# Altium PCB drac_v3.PcbDoc (part 3 of 5) (continued)
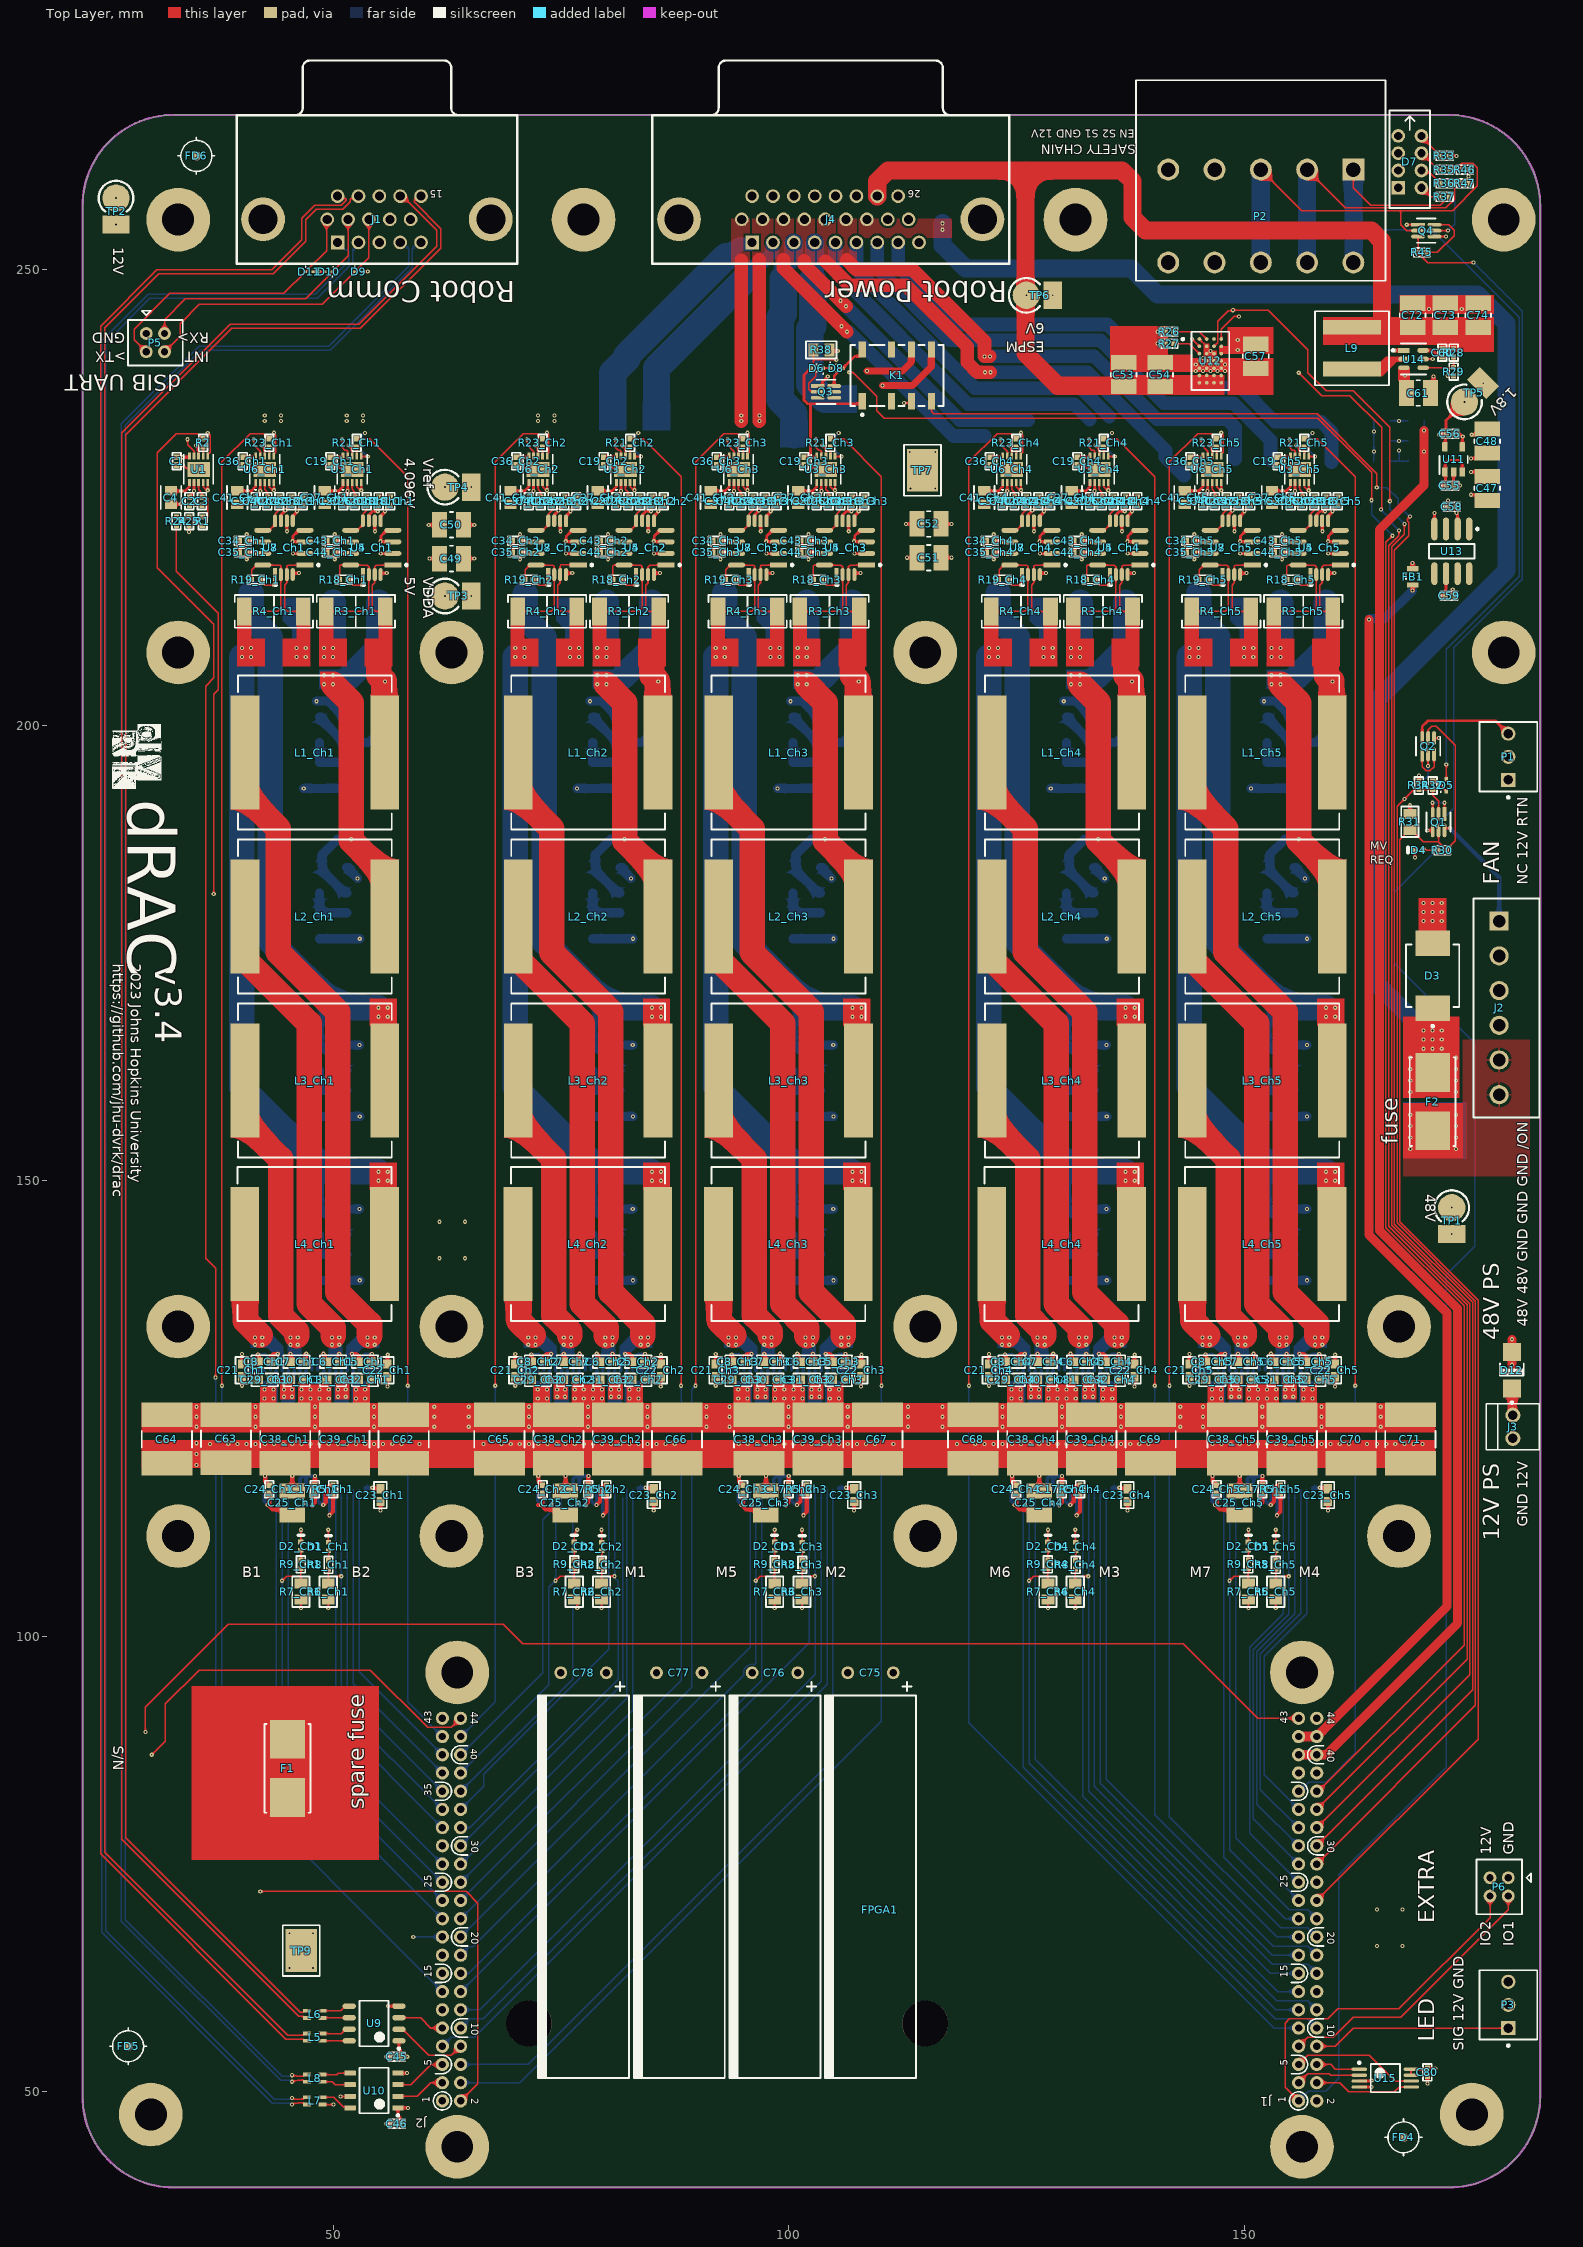
[diagram p0: Top Layer view]
## Nets (pads, with @x,y where several pads share a name; then routed paths per layer and width w, separated by ;. In a path a pad name is that pad's centre, name@x,y a point inside that pad or via, vN(x,y) a via of type N, cw(c..) or ccw(c..) an arc to the next point about the centre after c; other vN are vias at no path point) (continued)
  Top Layer w0.4: v1(166.525,241.15) U14.1@167.55,241.15 ; C61.2@170.464,236.474 170.8,236.81 v1(170.8,238.3)
  Top Layer w0.45: v1(42.525,117.598) 42.554,117.569 42.554,117.044 43,116.598 C24_Ch1.2@43,116.577 ; C25_Ch1.2@45.5,115.973 45.525,115.998 v1(45.525,117.598) ; C17_Ch1.2@48,116.577 48.012,116.589 48.012,117.586 v1(48.025,117.598) ; v1@48.925,114.401 48.926,114.401 48.926,114.442 49.2,114.715 49.2,116.116 49.625,116.541 49.941,116.541 R5_Ch1.2@50,116.6 ; v1(72.525,117.598) 72.554,117.569 72.554,117.044 73,116.598 C24_Ch2.2@73,116.577 ; C25_Ch2.2@75.5,115.973 75.525,115.998 v1(75.525,117.598) ; C17_Ch2.2@78,116.577 78.012,116.589 78.012,117.586 v1(78.025,117.598) ; v1@78.925,114.401 78.926,114.401 78.926,114.442 79.3,114.815 79.3,116.216 79.625,116.541 79.941,116.541 R5_Ch2.2@80,116.6 ; v1(94.525,117.598) 94.554,117.569 94.554,117.044 95,116.598 C24_Ch3.2@95,116.577 ; C25_Ch3.2@97.5,115.973 97.525,115.998 v1(97.525,117.598) ; C17_Ch3.2@100,116.577 100.012,116.589 100.012,117.586 v1(100.025,117.598) ; v1@100.925,114.401 100.926,114.401 100.926,114.442 101.3,114.815 101.3,116.216 101.625,116.541 101.941,116.541 R5_Ch3.2@102,116.6 ; v1(124.525,117.598) 124.554,117.569 124.554,117.044 125,116.598 C24_Ch4.2@125,116.577 ; C25_Ch4.2@127.5,115.973 127.525,115.998 v1(127.525,117.598) ; C17_Ch4.2@130,116.577 130.012,116.589 130.012,117.586 v1(130.025,117.598) ; v1@130.925,114.401 130.926,114.401 130.926,114.442 131.3,114.815 131.3,116.216 131.625,116.541 131.941,116.541 R5_Ch4.2@132,116.6 ; v1(146.525,117.598) 146.554,117.569 146.554,117.044 147,116.598 C24_Ch5.2@147,116.577 ; C25_Ch5.2@149.5,115.973 149.525,115.998 v1(149.525,117.598) ; C17_Ch5.2@152,116.577 152.012,116.589 152.012,117.586 v1(152.025,117.598) ; v1@152.925,114.401 152.926,114.401 152.926,114.442 153.3,114.815 153.3,116.216 153.625,116.541 153.941,116.541 R5_Ch5.2@154,116.6
  Top Layer w1: v1(179.4,129.8) D12.2@179.4,131.2 v1(179.4,132.6)
  Mid Layer 2 w0.3: v1(55.964,127.436) v1@56,127.4 ; v1(172.371,224.671) v1@172.4,224.7
  Mid Layer 2 w0.4: v1@166.472,241.097 v1(166.525,241.15)
  Bottom Layer w0.152: R43.1@164.2,229 R43.1@164.248,229 v1(164.248,230.052) R44.1@164.248,231.21 v1(164.248,232.248) R42.1@164.248,233.42
  Bottom Layer w0.3: v1@56,59.45 v1(56.045,59.405) ; v1(58.127,52.048) v1@58.15,52.025 ; v1(168.2,191.225) v1@168.225,191.25 ; v1@169.175,194.525 v1(169.2,194.5) ; v1@170.1,188.45 v1(170.116,188.466) ; v1(170.133,50.917) v1@170.25,50.8
  Bottom Layer w0.394: 45.075,127.762 U2_Ch1.23@45.075,129.148 ; 45.725,127.762 U2_Ch1.24@45.725,129.148 ; U2_Ch1.12@46.375,116.148 46.375,117.294 46.679,117.598 47.025,117.598 ; U2_Ch1.11@47.025,116.148 47.025,117.598 ; v1(48.025,117.598) 47.025,117.598 ; U2_Ch1.9@48.325,116.148 48.325,114.877 48.629,114.573 48.733,114.573 48.908,114.398 v1(48.925,114.398) 48.925,114.415 48.975,114.465 U2_Ch1.8@48.975,116.148 ; 50.275,127.762 U2_Ch1.31@50.275,129.148 ; 50.925,127.762 U2_Ch1.32@50.925,129.148 ; 75.075,127.762 U2_Ch2.23@75.075,129.148 ; 75.725,127.762 U2_Ch2.24@75.725,129.148 ; U2_Ch2.12@76.375,116.148 76.375,117.294 76.679,117.598 77.025,117.598 ; U2_Ch2.11@77.025,116.148 77.025,117.598 ; v1(78.025,117.598) 77.025,117.598 ; U2_Ch2.9@78.325,116.148 78.325,114.877 78.629,114.573 78.733,114.573 78.908,114.398 v1(78.925,114.398) 78.925,114.415 78.975,114.465 U2_Ch2.8@78.975,116.148 ; 80.275,127.762 U2_Ch2.31@80.275,129.148 ; 80.925,127.762 U2_Ch2.32@80.925,129.148 ; 97.075,127.762 U2_Ch3.23@97.075,129.148 ; 97.725,127.762 U2_Ch3.24@97.725,129.148 ; U2_Ch3.12@98.375,116.148 98.375,117.294 98.679,117.598 99.025,117.598 ; U2_Ch3.11@99.025,116.148 99.025,117.598 ; v1(100.025,117.598) 99.025,117.598 ; U2_Ch3.9@100.325,116.148 100.325,114.877 100.629,114.573 100.733,114.573 100.908,114.398 v1(100.925,114.398) 100.925,114.415 100.975,114.465 U2_Ch3.8@100.975,116.148 ; 102.275,127.762 U2_Ch3.31@102.275,129.148 ; 102.925,127.762 U2_Ch3.32@102.925,129.148 ; 127.075,127.762 U2_Ch4.23@127.075,129.148 ; 127.725,127.762 U2_Ch4.24@127.725,129.148 ; U2_Ch4.12@128.375,116.148 128.375,117.294 128.679,117.598 129.025,117.598 ; U2_Ch4.11@129.025,116.148 129.025,117.598 ; v1(130.025,117.598) 129.025,117.598 ; U2_Ch4.9@130.325,116.148 130.325,114.877 130.629,114.573 130.733,114.573 130.908,114.398 v1(130.925,114.398) 130.925,114.415 130.975,114.465 U2_Ch4.8@130.975,116.148 ; 132.275,127.762 U2_Ch4.31@132.275,129.148 ; 132.925,127.762 U2_Ch4.32@132.925,129.148 ; 149.075,127.762 U2_Ch5.23@149.075,129.148 ; 149.725,127.762 U2_Ch5.24@149.725,129.148 ; U2_Ch5.12@150.375,116.148 150.375,117.294 150.679,117.598 151.025,117.598 ; U2_Ch5.11@151.025,116.148 151.025,117.598 ; v1(152.025,117.598) 151.025,117.598 ; U2_Ch5.9@152.325,116.148 152.325,114.877 152.629,114.573 152.733,114.573 152.908,114.398 v1(152.925,114.398) 152.925,114.415 152.975,114.465 U2_Ch5.8@152.975,116.148 ; 154.275,127.762 U2_Ch5.31@154.275,129.148 ; 154.925,127.762 U2_Ch5.32@154.925,129.148
  Bottom Layer w1: v1(46.775,193.075) R10_Ch1.1@51.5,193.075 ; v1(48.2,202.646) 49.504,202.646 51.1,201.05 51.35,201.05 C9_Ch1.1@51.5,200.9 ; R17_Ch1.1@48.5,139.075 v1(52.925,139.075) ; R15_Ch1.1@48.5,157.075 v1(52.925,157.075) ; R13_Ch1.1@48.5,176.575 v1(52.925,176.575) ; C12_Ch1.1@51.5,146.9 v1(52.9,146.9) ; C11_Ch1.1@51.5,164.9 v1(52.9,164.9) ; C10_Ch1.1@51.75,184.4 C10_Ch1.1@51.5,184.4 v1(52.7,183.2) ; v1(76.775,193.075) R10_Ch2.1@81.5,193.075 ; v1(78.2,202.646) 79.504,202.646 81.1,201.05 81.35,201.05 C9_Ch2.1@81.5,200.9 C9_Ch2.1@81.25,200.9 ; R17_Ch2.1@78.5,139.075 v1(82.925,139.075) ; R15_Ch2.1@78.5,157.075 v1(82.925,157.075) ; R13_Ch2.1@78.5,176.575 v1(82.925,176.575) ; C12_Ch2.1@81.5,146.9 v1(82.9,146.9) ; C11_Ch2.1@81.5,164.9 v1(82.9,164.9) ; C10_Ch2.1@81.75,184.4 C10_Ch2.1@81.5,184.4 v1(82.7,183.2) ; v1(98.775,193.075) R10_Ch3.1@103.5,193.075 ; v1(100.2,202.646) 101.504,202.646 103.1,201.05 103.35,201.05 C9_Ch3.1@103.5,200.9 C9_Ch3.1@103.25,200.9 ; R17_Ch3.1@100.5,139.075 v1(104.925,139.075) ; R15_Ch3.1@100.5,157.075 v1(104.925,157.075) ; R13_Ch3.1@100.5,176.575 v1(104.925,176.575) ; C12_Ch3.1@103.5,146.9 v1(104.9,146.9) ; C11_Ch3.1@103.5,164.9 v1(104.9,164.9) ; C10_Ch3.1@103.75,184.4 C10_Ch3.1@103.5,184.4 v1(104.7,183.2) ; v1(128.775,193.075) R10_Ch4.1@133.5,193.075 ; v1(130.2,202.646) 131.504,202.646 133.1,201.05 133.35,201.05 C9_Ch4.1@133.5,200.9 C9_Ch4.1@133.25,200.9 ; R17_Ch4.1@130.5,139.075 v1(134.925,139.075) ; R15_Ch4.1@130.5,157.075 v1(134.925,157.075) ; R13_Ch4.1@130.5,176.575 v1(134.925,176.575) ; C12_Ch4.1@133.5,146.9 v1(134.9,146.9) ; C11_Ch4.1@133.5,164.9 v1(134.9,164.9) ; C10_Ch4.1@133.75,184.4 C10_Ch4.1@133.5,184.4 v1(134.7,183.2) ; v1(150.775,193.075) R10_Ch5.1@155.5,193.075 ; v1(152.2,202.646) 153.504,202.646 155.1,201.05 155.35,201.05 C9_Ch5.1@155.5,200.9 C9_Ch5.1@155.25,200.9 ; R17_Ch5.1@152.5,139.075 v1(156.925,139.075) ; R15_Ch5.1@152.5,157.075 v1(156.925,157.075) ; R13_Ch5.1@152.5,176.575 v1(156.925,176.575) ; C12_Ch5.1@155.5,146.9 v1(156.9,146.9) ; C11_Ch5.1@155.5,164.9 v1(156.9,164.9) ; C10_Ch5.1@155.75,184.4 C10_Ch5.1@155.5,184.4 v1(156.7,183.2)
  other v1: 163.975,50.524 45.2,63.6 47.8,63.6 164.6,66 167.4,66 45.2,67.4 47.8,67.4 164.6,70 167.4,70 35,118.8 35,120 36.5,121.1 38.5,121.1 39.5,121.1 40.5,121.1 41.5,121.1 42.525,121.098 43.525,121.098 44.525,121.098 45.525,121.098 46.525,121.098 47.525,121.098 48.525,121.098 49.525,121.098 50.525,121.098 51.525,121.098 52.525,121.098 53.525,121.098 54.5,121.1 55.5,121.1 56.5,121.1 57.5,121.1 59.5,121.1 66.5,121.1 68.5,121.1 69.5,121.1 70.5,121.1 71.5,121.1 72.525,121.098 73.525,121.098 74.525,121.098 75.525,121.098 76.525,121.098 77.525,121.098 78.525,121.098 79.525,121.098 80.525,121.098 81.525,121.098 82.525,121.098 83.525,121.098 84.5,121.1 85.5,121.1 86.5,121.1 87.5,121.1 94.525,121.098 95.525,121.098 96.525,121.098 97.525,121.098 98.525,121.098 99.525,121.098 100.525,121.098 101.525,121.098 102.525,121.098 103.525,121.098 104.525,121.098 105.525,121.098 106.5,121.1 107.5,121.1 108.5,121.1 109.5,121.1 111.5,121.1 118.5,121.1 120.5,121.1 121.5,121.1 122.5,121.1 123.5,121.1 124.525,121.098 125.525,121.098 126.525,121.098 127.525,121.098 128.525,121.098 129.525,121.098 130.525,121.098 131.525,121.098 132.525,121.098 133.525,121.098 134.525,121.098 135.525,121.098 136.5,121.1 137.5,121.1 138.5,121.1 139.5,121.1 146.525,121.098 147.525,121.098 148.525,121.098 149.525,121.098 150.525,121.098 151.525,121.098 152.525,121.098 153.525,121.098 154.525,121.098 155.525,121.098 156.525,121.098 157.525,121.098 158.5,121.1 159.5,121.1 160.5,121.1 161.5,121.1 163.5,121.1 164.6,121.1 165.6,121.1 166.6,121.1 167.6,121.1 168.6,121.1 169.6,121.1 35,121.2 44.6,126.3 45.475,126.298 50.525,126.298 51.4,126.3 74.6,126.3 75.475,126.298 80.525,126.298 81.4,126.3 96.6,126.3 97.475,126.298 102.525,126.298 103.4,126.3 126.6,126.3 127.475,126.298 132.525,126.298 133.4,126.3 148.6,126.3 149.475,126.298 154.525,126.298 155.4,126.3 44.6,127.1 45.475,127.098 50.525,127.098 51.4,127.1 74.6,127.1 75.475,127.098 80.525,127.098 81.4,127.1 96.6,127.1 97.475,127.098 102.525,127.098 103.4,127.1 126.6,127.1 127.475,127.098 132.525,127.098 133.4,127.1 148.6,127.1 149.475,127.098 154.525,127.098 155.4,127.1 61.7,141.5 64.5,141.5 61.7,145.5 64.5,145.5 169.7,178.5 170.7,178.5 171.7,178.5 169.7,179.5 170.7,179.5 171.7,179.5 169.7,180.5 170.7,180.5 171.7,180.5 113.4,226 116.1,226 113.3,230 116.1,230 144.7,238.9 145.5,238.9 146.3,238.9 147.1,238.9 147.9,238.9 144.7,239.6 145.5,239.6 146.3,239.6 147.1,239.6 147.9,239.6 145.5,240.3 146.3,240.3 147.1,240.3 146.3,241.1 140.5,241.9 140.5,243.2 170.3,245.7 173.9,245.7 174.652,260.25
I1_Ch1: R20_Ch1.1 U4_Ch1.8 U5_Ch1.5 | length 3.9
  Top Layer w0.152: U5_Ch1.5@51.936,221.405 52.652,221.405 53.275,222.028 U4_Ch1.8@53.275,222.45 53.318,222.493 53.318,223.218 53.7,223.6 R20_Ch1.1@53.7,224.148
I1_Ch2: R20_Ch2.1 U4_Ch2.8 U5_Ch2.5 | length 3.9
  Top Layer w0.152: U5_Ch2.5@81.936,221.405 82.652,221.405 83.275,222.028 U4_Ch2.8@83.275,222.45 83.318,222.493 83.318,223.218 83.7,223.6 R20_Ch2.1@83.7,224.148
I1_Ch3: R20_Ch3.1 U4_Ch3.8 U5_Ch3.5 | length 3.9
  Top Layer w0.152: U5_Ch3.5@103.936,221.405 104.652,221.405 105.275,222.028 U4_Ch3.8@105.275,222.45 105.318,222.493 105.318,223.218 105.7,223.6 R20_Ch3.1@105.7,224.148
I1_Ch4: R20_Ch4.1 U4_Ch4.8 U5_Ch4.5 | length 3.9
  Top Layer w0.152: U5_Ch4.5@133.936,221.405 134.652,221.405 135.275,222.028 U4_Ch4.8@135.275,222.45 135.318,222.493 135.318,223.218 135.7,223.6 R20_Ch4.1@135.7,224.148
I1_Ch5: R20_Ch5.1 U4_Ch5.8 U5_Ch5.5 | length 3.9
  Top Layer w0.152: U5_Ch5.5@155.936,221.405 156.652,221.405 157.275,222.028 U4_Ch5.8@157.275,222.45 157.318,222.493 157.318,223.218 157.7,223.6 R20_Ch5.1@157.7,224.148
I2_Ch1: R22_Ch1.1 U7_Ch1.8 U8_Ch1.5 | length 3.9
  Top Layer w0.152: U8_Ch1.5@42.286,221.405 43.002,221.405 43.625,222.028 U7_Ch1.8@43.625,222.45 43.668,222.493 43.668,223.218 44.1,223.65 R22_Ch1.1@44.1,224.148
I2_Ch2: R22_Ch2.1 U7_Ch2.8 U8_Ch2.5 | length 3.9
  Top Layer w0.152: U8_Ch2.5@72.286,221.405 73.002,221.405 73.625,222.028 U7_Ch2.8@73.625,222.45 73.668,222.493 73.668,223.218 74.1,223.65 R22_Ch2.1@74.1,224.148
I2_Ch3: R22_Ch3.1 U7_Ch3.8 U8_Ch3.5 | length 3.9
  Top Layer w0.152: U8_Ch3.5@94.286,221.405 95.002,221.405 95.625,222.028 U7_Ch3.8@95.625,222.45 95.668,222.493 95.668,223.218 96.1,223.65 R22_Ch3.1@96.1,224.148
I2_Ch4: R22_Ch4.1 U7_Ch4.8 U8_Ch4.5 | length 3.9
  Top Layer w0.152: U8_Ch4.5@124.286,221.405 125.002,221.405 125.625,222.028 U7_Ch4.8@125.625,222.45 125.668,222.493 125.668,223.218 126.1,223.65 R22_Ch4.1@126.1,224.148
I2_Ch5: R22_Ch5.1 U7_Ch5.8 U8_Ch5.5 | length 3.9
  Top Layer w0.152: U8_Ch5.5@146.286,221.405 147.002,221.405 147.625,222.028 U7_Ch5.8@147.625,222.45 147.668,222.493 147.668,223.218 148.1,223.65 R22_Ch5.1@148.1,224.148
ISENSE+2_Ch1: C12_Ch1.2 C16_Ch1.1 L4_Ch1.2 R4_Ch1.1 R19_Ch1.2 U7_Ch1.2 U8_Ch1.8 | length 88.2
  Top Layer w0.152: R4_Ch1.1@40.25,212.5 43.95,212.5 44.275,212.825 44.275,217.503 44.183,217.595 41.623,217.595 41.1,217.072 41.1,216.04 R19_Ch1.2@41.06,216
  Bottom Layer w1: 49.251,151 48.5,150.249 C16_Ch1.1@48.5,146.9 48.75,146.9 51.1,144.55 51.1,144.25 51.25,144.1 C12_Ch1.2@51.5,144.1
  Bottom Layer w2.8: v1(40,207.5) 40,160.251 49.251,151 v1(55,151)
  other v1: 55,150 56,150 56,151 41,207.5 40,208.5 41,208.5
ISENSE+2_Ch2: C12_Ch2.2 C16_Ch2.1 L4_Ch2.2 R4_Ch2.1 R19_Ch2.2 U7_Ch2.2 U8_Ch2.8 | length 88.2
  Top Layer w0.152: R4_Ch2.1@70.25,212.5 73.95,212.5 74.275,212.825 74.275,217.453 74.133,217.595 71.623,217.595 71.1,217.072 71.1,216.04 R19_Ch2.2@71.06,216
  Bottom Layer w1: 79.251,151 78.5,150.249 C16_Ch2.1@78.5,146.9 78.75,146.9 81.1,144.55 81.1,144.25 81.25,144.1 C12_Ch2.2@81.5,144.1
  Bottom Layer w2.8: v1(70,207.5) 70,160.251 79.251,151 v1(85,151)
  other v1: 85,150 86,150 86,151 71,207.5 70,208.5 71,208.5
ISENSE+2_Ch3: C12_Ch3.2 C16_Ch3.1 L4_Ch3.2 R4_Ch3.1 R19_Ch3.2 U7_Ch3.2 U8_Ch3.8 | length 88.2
  Top Layer w0.152: R4_Ch3.1@92.25,212.5 95.95,212.5 96.275,212.825 96.275,217.506 96.186,217.595 93.623,217.595 93.1,217.072 93.1,216.04 R19_Ch3.2@93.06,216
  Bottom Layer w1: 101.251,151 100.5,150.249 C16_Ch3.1@100.5,146.9 100.75,146.9 103.1,144.55 103.1,144.25 103.25,144.1 C12_Ch3.2@103.5,144.1
  Bottom Layer w2.8: v1(92,207.5) 92,160.251 101.251,151 v1(107,151)
  other v1: 107,150 108,150 108,151 93,207.5 92,208.5 93,208.5
ISENSE+2_Ch4: C12_Ch4.2 C16_Ch4.1 L4_Ch4.2 R4_Ch4.1 R19_Ch4.2 U7_Ch4.2 U8_Ch4.8 | length 88.2
  Top Layer w0.152: R4_Ch4.1@122.25,212.5 125.95,212.5 126.275,212.825 126.275,217.488 126.168,217.595 123.623,217.595 123.1,217.072 123.1,216.04 R19_Ch4.2@123.06,216
  Bottom Layer w1: 131.251,151 130.5,150.249 C16_Ch4.1@130.5,146.9 130.75,146.9 133.1,144.55 133.1,144.25 133.25,144.1 C12_Ch4.2@133.5,144.1
  Bottom Layer w2.8: v1(122,207.5) 122,160.251 131.251,151 v1(137,151)
  other v1: 137,150 138,150 138,151 123,207.5 122,208.5 123,208.5
ISENSE+2_Ch5: C12_Ch5.2 C16_Ch5.1 L4_Ch5.2 R4_Ch5.1 R19_Ch5.2 U7_Ch5.2 U8_Ch5.8 | length 88.1
  Top Layer w0.152: R4_Ch5.1@144.25,212.5 147.95,212.5 148.275,212.825 148.275,217.442 148.122,217.595 145.623,217.595 145.1,217.072 145.1,216.04 R19_Ch5.2@145.06,216
  Bottom Layer w1: 153.251,151 152.5,150.249 C16_Ch5.1@152.5,146.9 152.75,146.9 155.1,144.55 155.1,144.25 155.25,144.1 C12_Ch5.2@155.5,144.1
  Bottom Layer w2.8: v1(144,207.5) 144,160.251 153.251,151 v1(159,151)
  other v1: 159,150 160,150 160,151 145,207.5 144,208.5 145,208.5
ISENSE-1_Ch1: C9_Ch1.2 C13_Ch1.1 L1_Ch1.2 R3_Ch1.1 U4_Ch1.3 U5_Ch1.1 | length 33.9
  Top Layer w0.152: R3_Ch1.1@55.75,212.5 54.627,212.5 54.327,212.8 54.327,215.374 54.575,215.622 U4_Ch1.3@54.575,216.55 54.575,217.424 54.746,217.595 U5_Ch1.1@56.564,217.595
  Top Layer w1: v1@55.6,204.9 v1(55.7,204.8)
  Top Layer w2.8: 55,208 55,205.5 55.6,204.9 55.6,197.075 L1_Ch1.2@55.675,197
  Bottom Layer w1: C13_Ch1.1@48.5,200.9 48.75,200.9 48.9,200.75 48.9,200.45 51.25,198.1 53.9,198.1 55.7,199.9 v1(55.7,204.8)
ISENSE-1_Ch2: C9_Ch2.2 C13_Ch2.1 L1_Ch2.2 R3_Ch2.1 U4_Ch2.3 U5_Ch2.1 | length 33.9
  Top Layer w0.152: R3_Ch2.1@85.75,212.5 84.627,212.5 84.327,212.8 84.327,215.374 84.575,215.622 U4_Ch2.3@84.575,216.55 84.575,217.424 84.746,217.595 U5_Ch2.1@86.564,217.595
  Top Layer w1: v1@85.6,204.9 v1(85.7,204.8)
  Top Layer w2.8: 85,208 85,205.5 85.6,204.9 85.6,197.075 L1_Ch2.2@85.675,197
  Bottom Layer w1: C13_Ch2.1@78.5,200.9 78.75,200.9 78.9,200.75 78.9,200.45 81.25,198.1 83.9,198.1 85.7,199.9 v1(85.7,204.8)
ISENSE-1_Ch3: C9_Ch3.2 C13_Ch3.1 L1_Ch3.2 R3_Ch3.1 U4_Ch3.3 U5_Ch3.1 | length 33.9
  Top Layer w0.152: R3_Ch3.1@107.75,212.5 106.627,212.5 106.327,212.8 106.327,215.374 106.575,215.622 U4_Ch3.3@106.575,216.55 106.575,217.424 106.746,217.595 U5_Ch3.1@108.564,217.595
  Top Layer w1: v1@107.6,204.9 v1(107.7,204.8)
  Top Layer w2.8: 107,208 107,205.5 107.6,204.9 107.6,197.075 L1_Ch3.2@107.675,197
  Bottom Layer w1: C13_Ch3.1@100.5,200.9 100.75,200.9 100.9,200.75 100.9,200.45 103.25,198.1 105.9,198.1 107.7,199.9 v1(107.7,204.8)
ISENSE-1_Ch4: C9_Ch4.2 C13_Ch4.1 L1_Ch4.2 R3_Ch4.1 U4_Ch4.3 U5_Ch4.1 | length 33.9
  Top Layer w0.152: R3_Ch4.1@137.75,212.5 136.627,212.5 136.327,212.8 136.327,215.374 136.575,215.622 U4_Ch4.3@136.575,216.55 136.575,217.424 136.746,217.595 U5_Ch4.1@138.564,217.595
  Top Layer w1: v1@137.6,204.9 v1(137.7,204.8)
  Top Layer w2.8: 137,208 137,205.5 137.6,204.9 137.6,197.075 L1_Ch4.2@137.675,197
  Bottom Layer w1: C13_Ch4.1@130.5,200.9 130.75,200.9 130.9,200.75 130.9,200.45 133.25,198.1 135.9,198.1 137.7,199.9 v1(137.7,204.8)
ISENSE-1_Ch5: C9_Ch5.2 C13_Ch5.1 L1_Ch5.2 R3_Ch5.1 U4_Ch5.3 U5_Ch5.1 | length 33.9
  Top Layer w0.152: R3_Ch5.1@159.75,212.5 158.627,212.5 158.327,212.8 158.327,215.374 158.575,215.622 U4_Ch5.3@158.575,216.55 158.575,217.424 158.746,217.595 U5_Ch5.1@160.564,217.595
  Top Layer w1: v1@159.6,204.9 v1(159.7,204.8)
  Top Layer w2.8: 159,208 159,205.5 159.6,204.9 159.6,197.075 L1_Ch5.2@159.675,197
  Bottom Layer w1: C13_Ch5.1@152.5,200.9 152.75,200.9 152.9,200.75 152.9,200.45 155.25,198.1 157.9,198.1 159.7,199.9 v1(159.7,204.8)
LVDS_RCLK: FPGA1.52 U9.2 | length 8.4
  Top Layer w0.152: U9.2@57.225,56.865 57.65,56.865 60.515,54 63,54 FPGA1.52@64,55
LVDS_RDAT: FPGA1.53 U9.3 | length 5.2
  Top Layer w0.152: U9.3@57.225,58.135 59.615,58.135 60.75,57 FPGA1.53@62,57
LVDS_TCLK: FPGA1.47 U10.2 | length 5.5
  Top Layer w0.152: U10.2@57.125,49.508 59.258,49.508 60.75,51 FPGA1.47@62,51
LVDS_TDAT: FPGA1.49 U10.3 | length 5.8
  Top Layer w0.152: U10.3@57.125,50.778 58.528,50.778 60.725,52.975 61.975,52.975 FPGA1.49@62,53
MISO_EEPROM: FPGA1.3 U15.2 | length 7.2
  Top Layer w0.152: FPGA1.3@155.98,51 156.98,52 159.353,52 159.528,51.825 U15.2@162.65,51.825
MOSI_EEPROM: FPGA1.4 U15.5 | length 11
  Top Layer w0.152: FPGA1.4@157.98,51 160.5,51 161.5,50 166.5,50 167.025,50.525 U15.5@168.35,50.525
MOTOR_POWER_EN: FPGA1.24 Q1.5 Q2.5 R30.2 R31.2 | length 152.1
  Top Layer w0.152: FPGA1.24@157.98,71 175.7,88.72 175.7,136.9 167.1,145.5 167.1,187.424 167.572,187.896 167.572,188.047 168.049,188.524 R31.2@168.2,188.524 168.351,188.524 169.675,187.2 171.288,187.2 171.35,187.263 ; Q2.5@170.2,198.601 170.2,199.5 170.6,199.9 171.1,199.9 173.2,197.8 173.2,187.302 R30.2@172.2,186.302 ; Q1.5@171.35,188.466 171.35,187.263 ; R30.2@172.2,186.3 R30.2@172.2,186.302 ; 171.35,187.263 171.35,187.152 R30.2@172.2,186.302
NetC3_1: C3.1 R1.2 U1.3 | length 5.1
  Top Layer w0.152: U1.3@35.237,226.698 35.237,225.849 35.6,225.486 C3.1@35.6,225.029 36.182,225.029 36.271,224.94 36.271,222.971 36.126,222.826 R1.2@35.7,222.826
NetC5_Ch1_1: C5_Ch1.1 U2_Ch1.35 | length 3.6
  Top Layer w0.5: C5_Ch1.1@54.202,130.148 54.237,130.183 54.237,130.96 v1(54.256,130.979)
  Bottom Layer w0.35: U2_Ch1.35@52.875,129.223 52.875,130.352 53.483,130.96 54.237,130.96 v1(54.256,130.979)
NetC5_Ch1_2: C5_Ch1.2 L1_Ch1.1 U2_Ch1.33 | length 73
  Top Layer w0.5: v1(52.075,130.998) 52.094,130.979 52.54,130.979 52.798,130.721 C5_Ch1.2@52.798,130.148
  Top Layer w2.8: L1_Ch1.1@40.325,197 40.4,196.925 40.4,192.25 44,188.65 44,175.072 50.5,168.572 50.5,137.79 54,134.29 54,133
  Bottom Layer w0.394: U2_Ch1.33@51.575,129.148 51.575,131.075
  other v1: 53.775,131.998 54.575,131.998 53.775,132.798 54.575,132.798
NetC5_Ch2_1: C5_Ch2.1 U2_Ch2.35 | length 3.6
  Top Layer w0.5: C5_Ch2.1@84.202,130.148 84.237,130.183 84.237,130.96 v1(84.256,130.979)
  Bottom Layer w0.35: U2_Ch2.35@82.875,129.223 82.875,130.352 83.483,130.96 84.237,130.96 v1(84.256,130.979)